# KiCad board ebit_ad.kicad_pcb (continued)
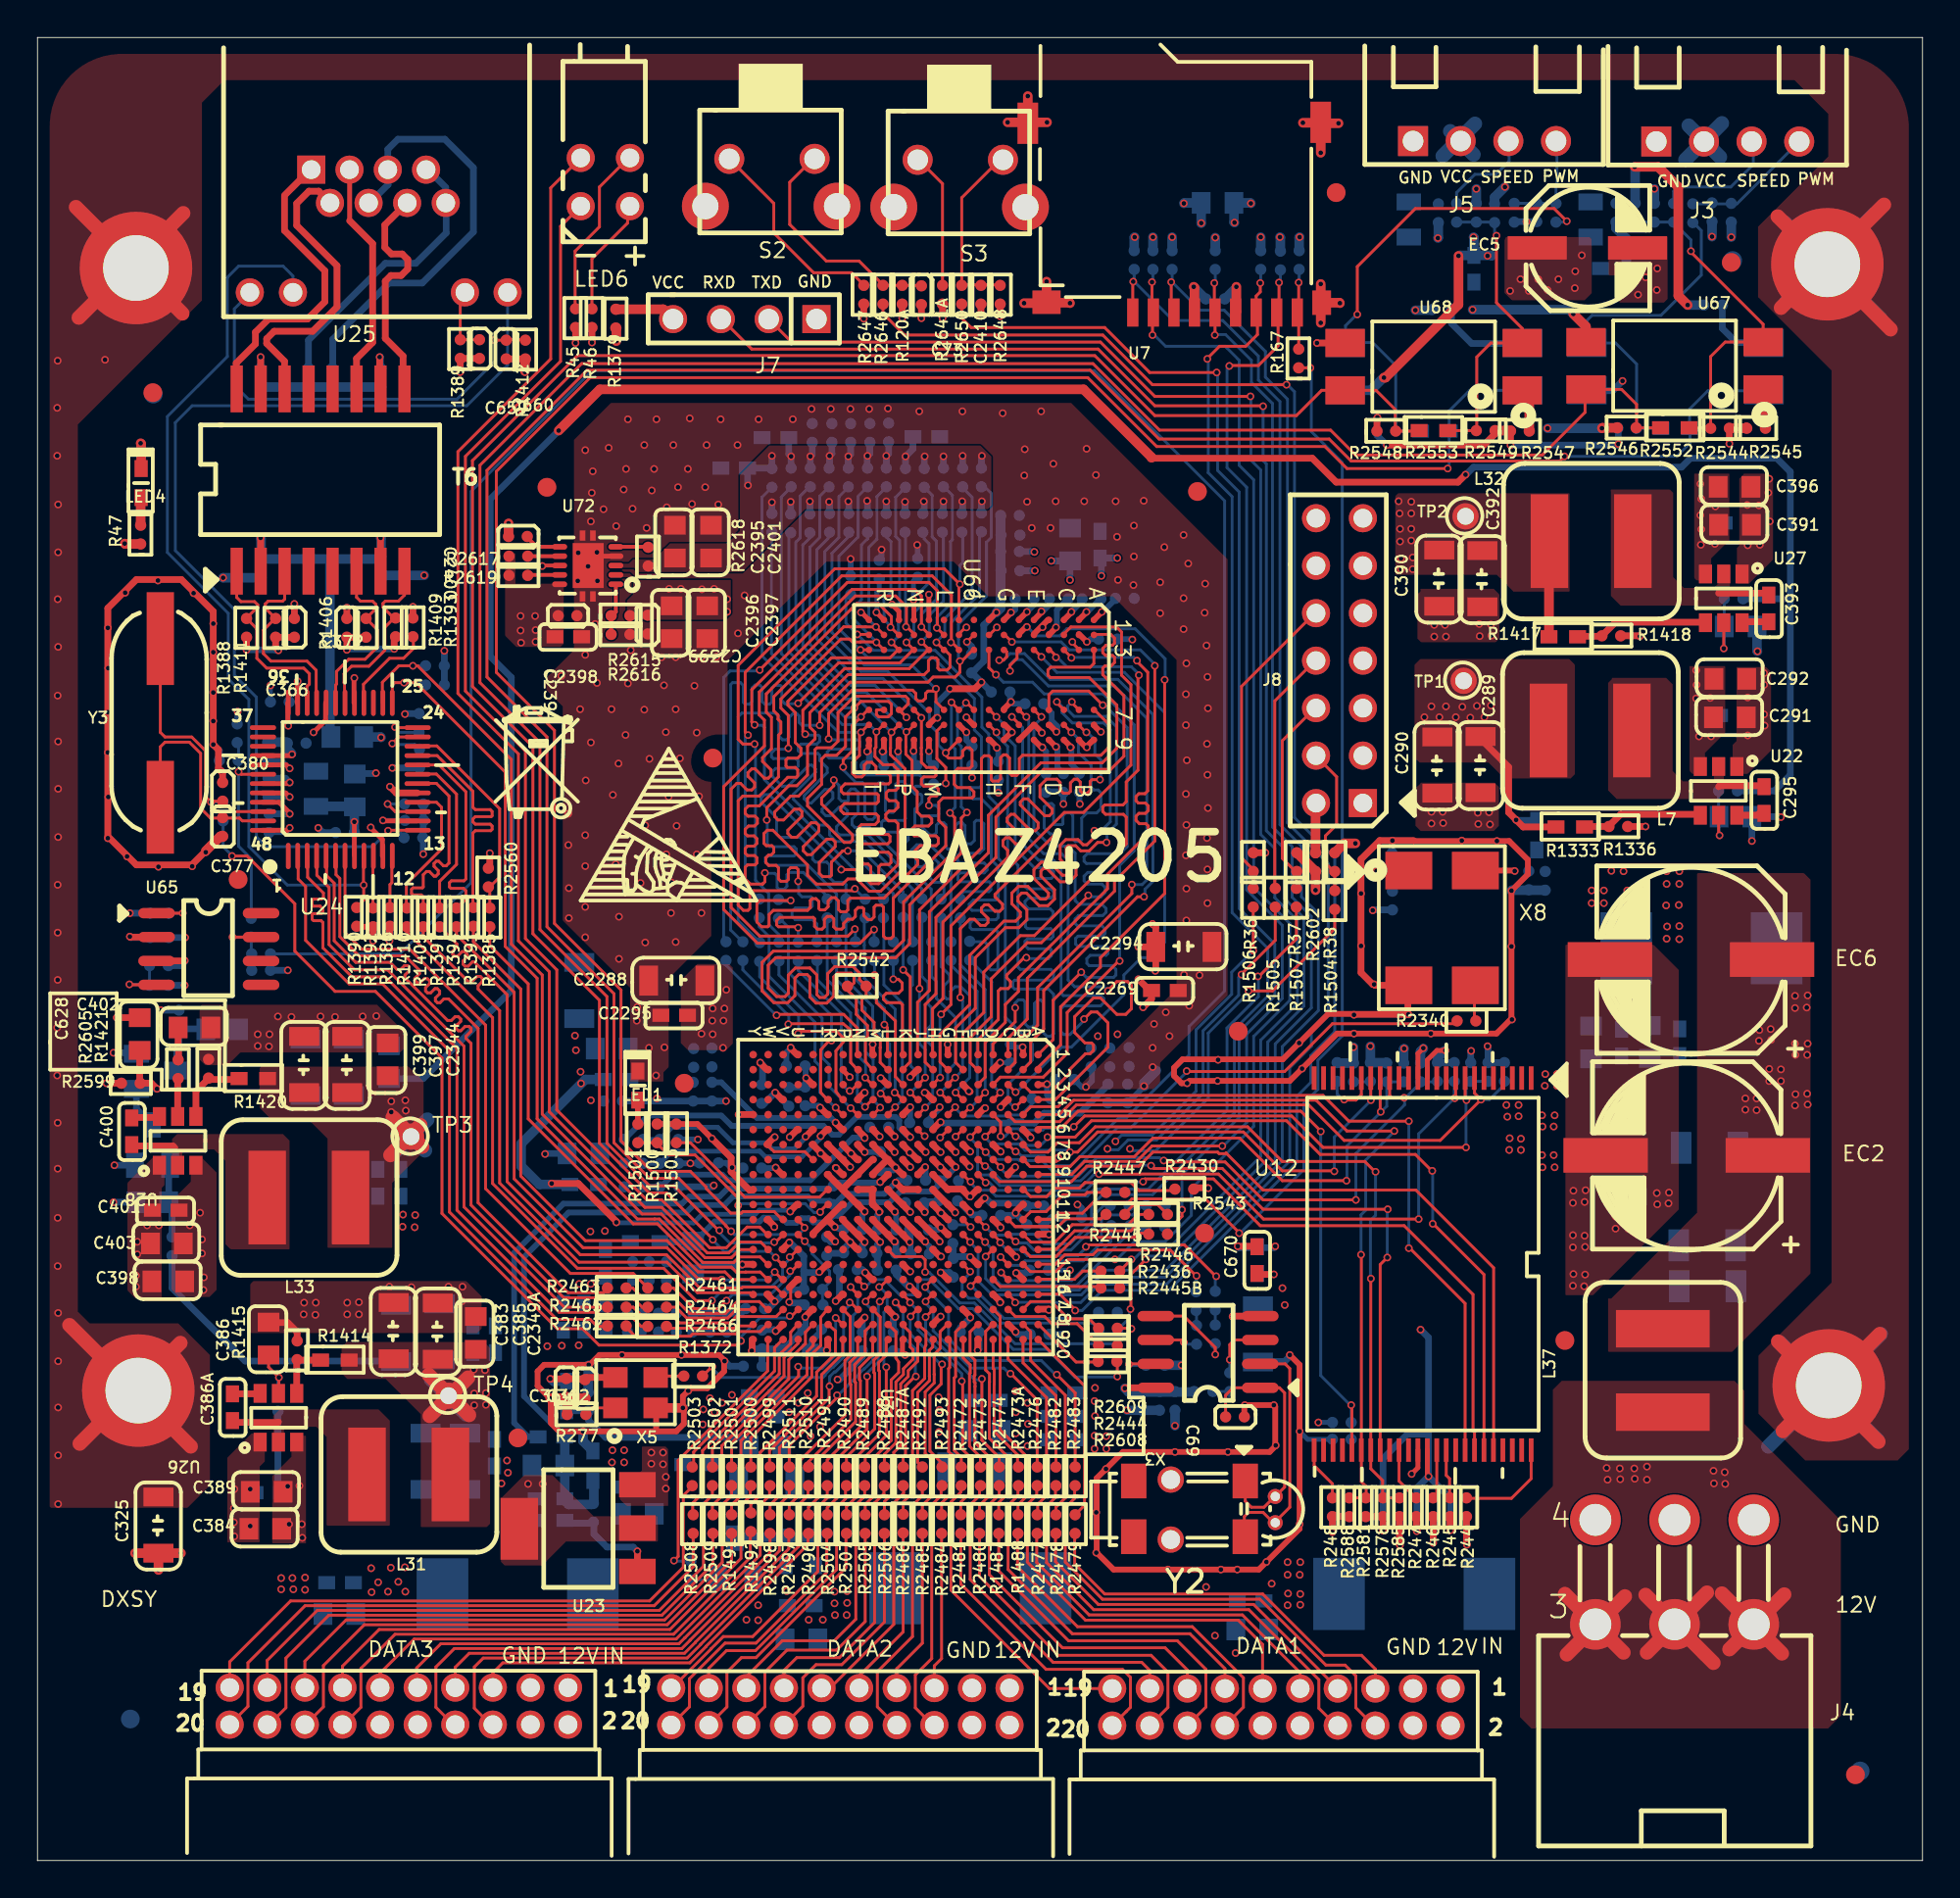
[diagram p0: board, top side]
## Routing (per net, layer and track width the routed paths; a pad name or vN(x,y) marks a point on that pad's centre or on a via; arc(x,y) is an arc through that point) (continued)
  Bottom Layer w0.152: 72.38,38.85 72.33,38.85 70.85,37.38 70.85,34.7 70.6,34.45 v1(70.6,32.33)
U12-IO2_0: length 39.1
  Top Layer w0.152: v1(71.13,31.05) 71.12,31.05 U12.31 71.12,20.91 71.75,20.28 71.75,19.5 ; 72.5,19.33 72.48,19.35 R2578.2 ; v1(71.38,36.75) 71.35,36.75 70.8,37.3 66.4,37.3 64.55,39.15 56.43,39.15 55.58,38.3 54.4,38.3 53.9,37.8 52.98,37.8 52.57,38.21 52.57,38.21
  Bottom Layer w0.152: v1(71.38,36.75) 71.38,34.43 71.1,34.15 71.1,30.88
U12-IO3_0: length 36.5
  Top Layer w0.152: v1(72.03,34.75) 65.38,34.75 63.2,36.93 59.55,36.93 v1(59.4,37.08) ; 50.16,37.41 50.57,37 ; v1(72,32.18) 71.62,31.8 U12.32
  Bottom Layer w0.152: 56.98,37.13 56.5,37.13 55.64,36.27 51.43,36.27 51.06,36.65 51.06,36.66 50.71,37 50.7,37 ; v1(72,32.18) 72,34.73 ; 57,37.1 59.38,37.1
  vias: v1(50.55,37.05)
U12-IO4_0: length 40.4
  Top Layer w0.152: U12.41 76.15,29.72 73.2,32.68 v1(73.15,32.68) ; 52.57,39.81 52.99,40.23 54.45,40.23 55.05,40.83 68.58,40.83 69.95,39.45 v1(73.15,39.45)
  Bottom Layer w0.152: v1(73.15,32.68) 73.15,39.43 73.13,39.45
U12-IO5_0: length 37.8
  Top Layer w0.152: U12.42 76.66,22.85 76.58,22.93 76.58,30.2 72.9,33.88 65.23,33.88 62.73,36.37 59.07,36.37 58.98,36.28 ; 50.58,36.23 50.55,36.23 50.16,36.61
  Bottom Layer w0.152: v1(50.58,36.18) 50.78,36.18 51.19,35.76 55.91,35.76 56.35,36.2 58.85,36.2 58.93,36.28
  vias: v1(58.98,36.23)
U12-IO6_0: length 40.8
  Top Layer w0.152: v1(53.88,38.6) 55.35,38.6 56.23,39.48 66.63,39.48 68.43,37.68 73.5,37.68 74.38,36.8 v1(74.4,36.8) ; U12.43 77.16,31.27 74.45,33.98 v1(74.43,33.98) ; 51.77,39.01 52.18,38.6 v1(52.18,38.64)
  Bottom Layer w0.152: 74.35,36.78 74.43,36.7 v1(74.43,33.98) ; 53.88,38.58 53.88,38.53 53.51,38.16 52.8,38.16 52.35,38.6 52.18,38.6 v1(52.18,38.64)
U12-IO7_0: length 39.5
  Top Layer w0.152: 77.68,22.28 77.68,31.63 73.53,35.78 65.38,35.78 63.4,37.75 63.37,37.72 63.03,37.72 62.95,37.8 59.5,37.8 58.75,37.05 55.98,37.05 55.15,36.23 51.33,36.23 50.97,36.59 50.97,36.61
U31-A15_0: length 10
  Top Layer w0.152: 53.38,31.82 54.3,31.82 54.8,32.33 56.3,32.33 56.55,32.58 60.43,32.58 61.8,31.2 v1(61.83,31.2)
  Bottom Layer w0.152: R2438.2 61.8,31 61.83,31.03
U31-D13_0: length 14.1
  Top Layer w0.152: v1(62.88,31.18) 62.85,31.18 61.18,32.85 55.95,32.85 55.83,32.73 ; 50.97,33.42 51.4,32.98 51.4,32.98
  Bottom Layer w0.152: 62.85,31.1 62.83,31.08 R2439.2 ; 55.9,32.68 55.5,32.28 52.8,32.28 52.48,32.6 51.7,32.6 51.4,32.9 51.4,32.95
  vias: v1(51.35,32.98) v1(55.93,32.75)
U31-L14_0: length 16.6
  Top Layer w0.152: 45.34,32.62 45.73,32.23 47.18,32.23 47.35,32.05 v1(47.35,31.4) 47.38,31.38 ; R2609.2 58.33,28.4 v1(58.35,28.38)
  Bottom Layer w0.152: 58.38,28.33 57.63,27.58 52.15,27.58 49.98,29.75 49.2,29.75 47.58,31.38 47.38,31.38
U31-N16_0: length 18.1
  Top Layer w0.152: R2608.2 57.6,26.6 v1(57.6,25.83) ; 44.15,30.58 44.15,30.6 43.73,31.02
  Bottom Layer w0.152: 57.48,25.8 55.33,25.8 53.85,27.28 52.05,27.28 49.88,29.45 49.13,29.45 47.58,31 47.03,31 46.95,30.93 46.95,30.28 46.85,30.18 46,30.18 45.18,31 44.58,31 44.15,30.58
  vias: v1(44.1,30.63)
U31-TCK_0: length 28.8
  Top Layer w0.152: R37.1 67.15,49.18 65.15,47.18 v1(65.1,47.18) ; 49.75,36.18 49.75,36.22 49.36,36.61
  Bottom Layer w0.152: 65.13,47.08 65.13,46.1 63.45,44.43 63.45,40.03 59.25,35.82 58.81,35.82 58.8,35.83 56.38,35.83 56,35.45 51.13,35.45 50.81,35.77 50.16,35.77 49.75,36.18
  vias: v1(49.78,36.23)
U31-TDI_0: length 27.1
  Top Layer w0.152: v1(48.15,38.58) 48.55,38.98 48.55,39.01 ; v1(64.85,48.55) R1506.1
  MidLayer2 w0.127: v1(48.15,38.58) 48.42,38.58 49.14,39.29 54.51,39.29 55.41,38.39 57.49,38.39 v1(57.5,38.38)
  Bottom Layer w0.152: v1(57.5,38.38) 57.83,38.71 59.46,38.71 61.8,41.05 61.8,44.33 63.7,46.23 63.7,47.4 v1(64.85,48.55)
U31-TDO_0: length 27.3
  Top Layer w0.152: v1(64.23,47.28) 64.23,47.3 66.03,49.1 R1505.1 ; v1(48.98,38.63) 49.36,39.01 49.36,39.01
  MidLayer2 w0.127: v1(48.98,38.63) 48.98,38.65 49.34,39.02 54.36,39.02 55.4,37.98 v1(57.08,37.98)
  Bottom Layer w0.152: 57,37.88 57.03,37.85 57.15,37.98 57.2,37.93 57.65,37.93 58.18,38.45 59.7,38.45 62.18,40.93 62.18,44.28 64.08,46.18 64.08,47.13 v1(64.23,47.28)
U31-TMS_0: length 31.7
  Top Layer w0.152: R1504.1 69.2,49.73 65.88,46.4 v1(64.6,46.4) ; 46.95,39.01 47.38,38.58
  MidLayer2 w0.127: 58.26,37.97 58.26,38.29 57.59,38.97 56.04,38.97 55.46,39.54 48.89,39.54 48.31,38.97 47.66,38.97 47.35,38.65 v1(47.33,38.65)
  Bottom Layer w0.152: 58.28,37.88 59.65,37.88 62.45,40.68 62.45,44.15 64.6,46.3 v1(64.6,46.4)
  vias: v1(58.28,37.98)
U31.W20_0: length 14.7
  Top Layer w0.152: v1(33.95,16) 34.18,16.23 34.18,21.35 38.95,26.13 38.95,27.78 38.91,27.83
  Bottom Layer w0.152: 34.05,15.98 R1481.2
VP1_0: length 32.3
  Top Layer w0.356: v1(44.95,36.2) 45.34,36.59 45.34,36.61
  Bottom Layer w0.305: 44.95,36.15 44.93,36.18 42.58,36.18 42.25,35.85 36.8,35.85 36.38,35.43 34.75,35.43 34.38,35.05 28.05,35.05 25.43,32.43 25.43,23.35 26.18,22.6 C856.2
  vias: v1(26.17,20.1) v1(26.94,20.1)
XOUT.0_0: length 50.2
  Top Layer w0.152: 40.18,29 40.51,29.34 40.51,29.42 ; 10.4,53.6 11.18,53.6 13.73,51.05 13.73,48.53 15.88,46.38 18.03,46.38 21.58,42.83 21.58,34.53 27.73,28.38 29.08,28.38 29.95,27.5 37.3,27.5 v1(37.53,27.73)
  Bottom Layer w0.152: 10.43,53.58 9.9,54.1 R1485.1 ; 40.05,28.95 38.53,28.95 37.53,27.95 v1(37.53,27.73)
  vias: v1(10.38,53.6) v1(40.13,29.05)

## Copper pours and planes (outline as drawn; the poured copper is in the pictures)
GND on Top Layer: 6.15,37.52 4.8,36.17 4.8,30.42 5.2,30.02 6.63,30.02 6.63,35.89 6.77,36.04 6.77,37.52
GND on Top Layer: 92.2,63.68 92.48,63.41 92.48,59.24 91.23,57.99 90.43,57.99 90.43,59.54 90.63,59.74 90.63,63.68
GND on Top Layer: 11.47,22.85 10.12,21.5 10.12,16.97 11.85,16.97 11.85,21.02 12.12,21.3 12.12,22.77 11.47,22.77
GND on Top Layer: 90.95,74.01 92.33,74.01 92.58,73.76 92.58,69.41 91.3,68.13 90.65,68.13 90.65,70.03 90.78,70.16 90.78,73.73 91,73.96
GND on Top Layer: 63.49,69.43 63.49,46.16 59.89,42.57 59.89,41.54 59.51,41.17 55.74,41.17 55.74,41.49 60.76,46.51 60.76,64.06 57.36,67.46 50.71,67.46 48.86,69.31 42.09,69.31 36.82,64.03 36.82,60.09 36.32,60.09 36.19,60.08 35.94,60.04 35.7,59.95 35.48,59.83 35.29,59.66 35.13,59.47 35,59.25 34.91,59.01 34.87,58.76 34.87,58.64 34.87,58.53 34.91,58.32 34.99,58.13 35.11,57.95 35.26,57.8 35.43,57.69 35.63,57.61 35.84,57.56 35.94,57.56 35.94,49.34 33.67,47.06 33.67,42.34 33.39,42.07 33.39,41.57 31.64,41.57 31.62,41.59 31.62,46.56 28.02,50.16 28.02,61.59 27.14,62.46 27.14,63.11 28.62,64.58 28.62,75.81 30.59,77.78 55.14,77.78
GND on Top Layer: 73.73,57.51 77.73,57.51 77.96,57.29 77.96,55.21 77.68,54.94 73.78,54.94 73.51,55.21 73.51,57.21 73.78,57.49
GND on Top Layer: 73.76,67.86 77.68,67.86 77.98,67.56 77.98,65.21 77.78,65.01 73.81,65.01 73.61,65.21 73.61,67.56 73.78,67.73
GND on Top Layer: 11.5,30.92 22.87,30.92 23.7,30.09 23.7,28.39 23.45,28.14 11.35,28.14 11.35,30.74
GND on Top Layer: 8.77,45.66 18.12,45.66 19.55,44.24 19.55,43.32 19.35,43.12 10.82,43.12 10.15,42.44 8.95,42.44 8.65,42.74 8.65,45.59
GND on Bottom Layer: 10.55,45.59 19.65,45.59 19.65,43.47 19.27,43.09 10.57,43.09 10.22,43.44 10.22,45.29 10.5,45.56
GND on Bottom Layer: 38.99,25.29 41.32,25.29 42.07,24.55 42.07,19.75 41.69,19.37 39.24,19.37 38.87,19.75 38.87,25.22
GND on Bottom Layer: 30.37,21.97 31.64,21.97 31.64,17.32 30.54,17.32 30.32,17.55 30.32,21.95
GND on Bottom Layer: 47.66,25.07 50.09,25.07 50.09,20.35 49.71,19.97 47.76,19.97 47.51,20.22 47.51,24.89
GND on Bottom Layer: 31.02,40.14 33.57,40.14 34.02,40.59 34.02,45.14 35.74,46.86 35.74,63.49 37.97,65.71 37.97,72.46 37.04,73.38 37.04,74.83 37.37,75.16 38.02,75.16 39.49,76.63 47.49,76.63 47.49,75.53 50.99,75.53 52.06,74.46 52.06,70.51 57.14,70.51 58.21,69.43 58.21,66.93 60.99,64.16 60.99,46.54 59.06,44.61 59.06,41.87 58.81,41.62 58.81,41.09 59.16,41.09 59.16,41.32 60.96,43.12 60.96,44.69 62.91,46.64 62.91,69.63 54.11,78.43 31.74,78.43 27.14,73.83 27.14,46.71 27.84,46.01 29.89,46.01 30.97,44.94 30.97,40.17
GND on Bottom Layer: 54.91,25.47 56.39,25.47 56.71,25.14 56.71,23.35 54.81,23.35 54.81,25.37
GND on Bottom Layer: 90.68,63.81 92.33,63.81 92.58,63.56 92.58,59.74 92.38,59.54 90.78,59.54 90.5,59.81 90.5,63.59 90.65,63.73
GND on Bottom Layer: 80.63,43.12 88.38,43.12 88.38,36.54 78.61,36.54 78.23,36.92 78.23,40.79 80.53,43.09
GND on Bottom Layer: 16.25,35.97 21.2,35.97 21.57,35.59 21.57,32.54 21,31.97 16.47,31.97 16.12,32.32 16.12,35.92
GND on Bottom Layer: 90.95,73.96 92.53,73.96 92.53,70.03 92.2,69.71 90.93,69.71 90.78,69.86 90.78,73.78
GND on Bottom Layer: 12.42,15.57 15.77,15.57 15.77,12.02 12.17,12.02 11.85,12.35 11.85,15.02 12.37,15.55
GND on Bottom Layer: 14,30.92 24.77,30.92 24.77,28.47 24.5,28.19 13.97,28.19 13.5,28.67 13.5,30.42
GND on Bottom Layer: 38.14,16.17 40.27,16.17 40.27,11.25 40.02,11 37.89,11 37.69,11.2 37.69,15.55 38.19,16.05
GND on Bottom Layer: 30.92,29.24 31.12,29.04 35.24,29.04 35.24,30.24 35.62,30.62 35.62,31.92 34.44,31.92 33.87,31.34 30.87,31.34 30.64,31.57 27.49,31.57 26.79,30.87 26.79,29.44 26.99,29.24
GND on Bottom Layer: 19.72,21.55 25.3,21.55 25.3,18.62 25.05,18.37 19.77,18.37 19.5,18.65 19.5,21.25 19.72,21.47
GND on Bottom Layer: 61.86,15.35 61.86,10.8 62.09,10.57 64.06,10.57 64.36,10.87 64.36,15.4 64.14,15.62 62.21,15.62 61.89,15.3
GND on Bottom Layer: 9.95,20.87 9.95,16.95 11.57,16.95 11.82,17.2 11.82,20.82 11.62,21.02 10.2,21.02 10.02,20.85
GND on MidLayer1: 32.89,94.13 32.89,96.45 69.82,96.45 69.82,94.13
GND on MidLayer1: 33.49,96.45 56.29,94.05 59.24,94.05 64.01,95.65 69.98,96.25 70.03,89.45 81.16,78.31 89.78,78.26 93.2,74.88 93.28,46.79 79.68,33.44 79.81,0.65 4.73,0.68 2,3.45 2.08,17.32 2.43,17.6 8.92,17.65 10.25,19.02 10.25,28.54 9.3,29.49 3.43,29.49 3.08,29.94 2.93,74.81 9.4,81.26 9.42,96.08 9.67,96.45
GND3 on Top Layer: 81.51,48.86 86.2,48.86 87.55,47.51 87.55,34.74 82.98,30.17 81.51,30.17
GND3 on Top Layer: 83.78,86.65 86.95,86.65 86.95,83.33 86.75,83.13 84.38,83.13 84.38,84.48 84.28,84.58 83.81,84.58 83.81,86.63
GND3 on Bottom Layer: 81.43,35.84 88.33,35.84 88.33,28.14 81.63,28.14 81.28,28.49 81.28,35.74
GND3 on Bottom Layer: 84.48,85.75 86.48,85.75 86.75,85.48 86.75,83.48 86.43,83.16 84.58,83.16 84.38,83.35 84.38,85.53 84.51,85.65
GND3 on MidLayer1: 70.36,96.1 70.36,89.68 81.33,78.71 90.05,78.71 93.63,75.13 93.63,46.24 93.28,46.24 80.18,33.14 80.18,0.65 96.08,0.65 96.27,0.65 96.64,0.69 97.02,0.77 97.38,0.89 97.72,1.04 98.05,1.23 98.36,1.46 98.64,1.71 98.9,1.99 99.12,2.3 99.31,2.63 99.46,2.98 99.58,3.34 99.66,3.71 99.7,4.09 99.7,4.28 99.7,93.5 98.43,95.35 97.18,96.18 95.78,96.53
GNDA on Top Layer: 0.73,18.82 8,18.82 9.2,20.02 9.2,26.97 7.5,28.67 2.78,28.67 2.15,29.29 2.15,76.63 8.77,83.25 8.77,93.8 9.97,95 93.73,95 95.53,93.2 95.53,90.93 91.78,87.18 91.78,83.43 95.7,79.51 95.7,30.84 91.8,26.94 91.8,23.85 94.3,21.35 99.23,21.35 99.83,21.95 99.83,92.45 99.82,92.65 99.79,93.03 99.71,93.41 99.6,93.78 99.45,94.14 99.27,94.48 99.05,94.81 98.81,95.11 98.53,95.38 98.23,95.63 97.91,95.84 97.57,96.02 97.21,96.17 96.84,96.29 96.46,96.36 96.07,96.4 95.88,96.4 4.5,96.4 4.3,96.4 3.9,96.36 3.5,96.27 3.12,96.15 2.75,95.98 2.4,95.78 2.08,95.55 1.78,95.28 1.51,94.98 1.27,94.65 1.07,94.3 0.9,93.93 0.78,93.55 0.7,93.16 0.65,92.75 0.65,92.55 0.65,18.87
GNDA on Bottom Layer: 99.53,21.32 99.85,21.65 99.85,88 98.53,89.33 93.45,89.33 91.8,87.68 91.8,83.4 95.8,79.41 95.8,39.59 95.1,38.89 89.83,38.89 89.43,38.49 89.43,23.12 91.23,21.32
GNDA on MidLayer1: 8.72,81.93 2.13,75.33 2.13,29.44 2.78,28.79 8.62,28.79 9.17,28.24 9.17,19.25 8.77,18.85 0.65,18.85 0.65,93.38 1.78,95.1 3.73,96.05 7.17,96.43 8.62,96.4 8.72,95.88
GNDA on MidLayer2: 93.98,29.17 99.4,29.17 99.4,4.1 96.15,0.85 3.8,0.85 1.9,1.9 0.68,3.98 0.65,89.83 1.98,94 4.03,95.7 6.28,96.2 8.67,96.18 8.6,82.88 2,76.38 2.03,29.29 2.88,28.42 6.58,28.44 8.47,26.59 8.3,5.27 8.85,4.78 93.93,4.95 96.03,7.07 96.03,19.67 91.8,23.95 91.75,27.09
VCC on Top Layer: 24.95,65.36 25.55,64.76 27.89,64.76 28.07,64.93 28.07,68.13 25.5,68.13 25.5,69.76 24.95,69.76
VCC on Top Layer: 73.73,64.11 81.71,64.11 82.01,63.81 82.01,57.96 81.78,57.74 78.26,57.74 77.41,58.59 73.73,58.59 73.46,58.86 73.46,63.81 73.73,64.08
VCC on Top Layer: 32.22,22.1 33.49,22.1 33.64,21.95 33.64,18.92 31.42,18.92 31.07,19.27 31.07,20.55 31.97,20.55 32.24,20.82 32.24,22.05
VCC on Bottom Layer: 28.04,45.41 29.59,45.41 30.47,44.54 30.47,40.07 28.39,40.07 28.04,40.42
VCC on Bottom Layer: 54.79,22.87 54.79,21.7 54.94,21.55 57.01,21.55 57.21,21.75 57.21,22.87
VCC on Bottom Layer: 32.32,22 34.62,22 34.62,17.6 34.32,17.3 32.14,17.3 32.14,21.77 32.27,21.9
VCC on Bottom Layer: 64.51,31.79 66.28,31.79 66.71,31.37 66.71,28.69 66.43,28.42 64.56,28.42 64.39,28.59 64.39,31.62
VCC on MidLayer2: 75.11,61.96 75.11,63.86 77.19,63.86 77.19,61.96
VCC on MidLayer2: 9.8,96.03 92.9,96.38 96.33,95.8 98.55,94.53 99.53,92.95 99.53,91.58 99.13,90.15 79.81,90.1 77.61,87.98 77.61,80.23 80.78,77.13 80.76,49.79 79.01,48.19 79.11,31.94 63.64,16.52 19.1,16.45 13.05,22.45 13.05,31.27 7.52,36.77 7.55,45.56 7.05,46.01 2.93,46.06 2.98,76.11 9.57,82.88 9.57,96 9.82,96.03
VCC1 on Top Layer: 31.82,68.98 32.04,68.76 37.59,68.76 40.94,72.11 50.69,72.11 50.89,72.31 50.89,74.91 50.29,75.51 39.04,75.51 37.47,73.93 37.47,70.96 36.79,70.28 33.74,70.28 32.89,69.43 31.77,69.43 31.54,69.21 30.47,69.21 30.47,68.98
VCC8 on Top Layer: 78.26,86.45 78.26,83.65 78.66,83.25 82.53,83.25 82.91,83.63 82.91,86.5 82.78,86.63 78.33,86.63
VCC8 on Top Layer: 83.78,29.99 83.78,27.14 90.4,27.14 94.58,31.32 94.58,52.34 94.23,52.69 88.53,52.69 88.53,34.57 83.96,29.99
VCC8 on Bottom Layer: 89.5,52.46 94.83,52.46 94.83,39.74 89.38,39.74 89.38,52.44
VCC8 on Bottom Layer: 72.01,87.13 72.01,85.28 73.86,83.43 83.63,83.43 83.63,86.73 83.23,87.13 82.26,87.13 79.96,84.83 75.13,84.83 73.98,85.98 73.98,87.13
VCC8 on MidLayer2: 80.08,89.7 99.43,89.7 99.43,38.22 98.18,36.97 90.93,36.97 90.65,37.24 90.65,43.77 93.78,46.89 93.78,74.26 92.63,75.41 83.31,75.41 78.41,80.31 78.41,88.08 80.01,89.68
VCC-DATA1 on Bottom Layer: 72.46,16.22 78.41,16.22 78.63,16 78.63,6.05 74.48,6.05 74.48,10.25 72.36,12.37 72.36,16.15
VCC-DATA2 on Bottom Layer: 51.39,16.95 54.99,16.95 55.49,16.45 55.49,6.12 55.29,5.92 51.11,5.92 50.84,6.2 50.84,16.37 51.39,16.92
VCC-DATA3 on Bottom Layer: 27.97,16 31.27,16 31.99,15.27 31.99,6.15 31.82,5.97 27.47,5.97 27.47,15.72 27.99,15.72
VCC-DDR on Top Layer: 34.29,46.94 35.19,47.84 36.89,47.84 37.09,47.64 37.09,43.59 36.74,43.24 34.69,43.24 34.32,43.62 34.32,46.94
VCC-DDR on Top Layer: 72.58,72.96 81.73,72.96 81.73,67.71 78.73,67.71 77.83,68.61 72.43,68.61 72.43,72.81
VCC-DDR on Top Layer: 30.52,68.68 31.59,68.68 31.94,68.33 36.99,68.33 36.99,66.56 36.64,66.21 31.44,66.21 31.44,67.23 31.77,67.56 31.77,68.31 31.59,68.48 30.52,68.48
VCC-DDR on Bottom Layer: 56.61,44.29 58.54,44.29 58.54,43.34 58.26,43.07 55.99,43.07 55.99,43.57 56.64,44.21
VCC-DDR on Bottom Layer: 34.67,43.12 37.19,43.12 37.19,46.31 36.89,46.61 36.39,46.61 34.69,44.91 34.69,43.14
VCC-DDR on MidLayer2: 70.83,76.23 73.58,73.48 73.58,65.03 62.99,54.44 62.99,46.94 55.84,39.79 33.17,39.79 32.62,40.34 32.62,75.38 33.29,76.23
VCCA on Top Layer: 11.95,42.37 19.8,42.37 20.6,41.57 20.6,37.84 18.92,36.17 18.92,32.69 15.47,32.69 15.47,38.52 14.37,39.62 12.4,39.62 11.85,40.17 11.85,42.29
VCCA on Bottom Layer: 14.05,42.37 20.77,42.37 21.2,41.94 21.2,37.89 19.75,36.44 14.4,36.44 13.45,37.39 13.45,41.84 13.95,42.34
VCCA on Bottom Layer: 29.14,33.69 29.14,32.09 30.89,32.09 31.27,31.72 33.62,31.72 33.62,32.19 32.32,32.19 32.12,32.39 32.12,33.44 30.67,33.44 30.27,33.84 29.37,33.84 29.17,33.64
VCCA on MidLayer2: 18.9,41.44 20.35,41.44 20.75,41.04 20.75,40.22 26.22,34.74 36.24,34.74 37.72,36.22 45.27,36.22 46.09,37.04 49.64,37.04 49.64,36.64 47.44,34.44 43.97,34.44 43.62,34.79 38.82,34.79 35.82,31.79 25.15,31.79 18.52,38.42 18.52,40.97 18.9,41.34
VCCB on Bottom Layer: 29.47,38.69 31.64,38.69 31.64,35.74 29.29,35.74 29.29,38.49 29.44,38.64
VCCE on Bottom Layer: 38.34,25.02 38.34,19.27 38.17,19.1 35.39,19.1 35.14,19.35 35.14,24.35 35.82,25.02
VCCE on MidLayer2: 35.42,21.55 44.37,21.55 44.37,29.12 43.42,30.07 39.17,30.07 34.94,25.84 34.94,22.1
VCCO on Bottom Layer: 51.01,25.29 54.11,25.29 54.31,25.09 54.31,20.25 54.06,20 50.96,20 50.74,20.22 50.74,25.02
VCCO on MidLayer2: 44.87,21.62 53.84,21.62 54.31,22.1 54.31,26.79 52.16,28.94 50.46,28.94 48.79,30.62 48.79,32.09 48.61,32.27 47.84,32.27 47.21,31.64 43.77,31.64 43.77,30.34 44.79,29.32 44.79,21.65
VCCP on Top Layer: 16.45,27.67 23.82,27.67 24.15,27.34 24.15,17.97 23.97,17.8 20.45,17.8 20.45,23.82 18.57,25.69 16.52,25.69 16.22,25.99 16.22,27.39 16.45,27.62
VCCP on Bottom Layer: 26.89,28.49 26.89,27.09 29.29,27.09 29.97,27.77 36.97,27.77 37.07,27.87 37.07,28.37 31.02,28.37 30.77,28.62 26.82,28.62
VCCP on Bottom Layer: 18.52,27.59 24.75,27.59 24.75,22.17 24.6,22.02 19.75,22.02 18.07,23.7 18.07,27.22 18.47,27.62
VCCP on MidLayer2: 34.44,23.32 34.44,25.99 38.92,30.47 43.47,30.47 43.47,31.92 43.59,32.04 46.94,32.04 47.66,32.77 49.39,32.77 51.64,35.02 51.64,36.79 50.94,37.49 50.94,38.34 46.09,38.34 45.89,38.14 36.22,38.14 35.22,37.14 28.69,37.14 28.69,37.49 22.57,43.62 17.92,43.62 16.3,41.99 16.3,34.92 20.87,30.34 20.87,23.82 21.25,23.32
IN on Top Layer: 7.15,35.34 7.15,30.47 7.55,30.07 9.17,30.07 9.55,30.44 9.55,36.72 8.77,37.49 8.17,37.49 8.17,36.22 7.27,35.32
IN on Top Layer: 88.35,74.01 90.25,74.01 90.25,70.46 89.28,69.48 89.28,68.31 88.5,68.31 88.38,68.43 88.38,73.98
IN on Top Layer: 13.57,22.67 14.32,22.67 14.32,16.92 12.52,16.92 12.52,20.52 13.55,21.55 13.55,22.7
IN on Top Layer: 88.1,63.73 90.03,63.73 90.03,60.19 88.95,59.11 88.95,57.99 88.28,57.99 88.13,58.14 88.13,63.64
IN on Bottom Layer: 12.57,21.2 14.22,21.2 14.22,16.9 12.5,16.9 12.5,21.1
IN on Bottom Layer: 16.75,16.25 23.35,16.25 23.7,15.9 23.7,12.3 23.25,11.85 16.5,11.85 16.25,12.1 16.25,15.72 16.72,16.2
IN on Bottom Layer: 64.89,14.55 64.89,11.8 65.19,11.5 70.68,11.5 71.08,11.9 71.08,15.57 70.73,15.92 66.38,15.92 64.96,14.5
IN on Bottom Layer: 88.38,73.88 90.2,73.88 90.2,68.93 88.63,68.93 88.25,69.31 88.25,73.66 88.38,73.78
IN on Bottom Layer: 88.38,63.83 89.83,63.83 90.05,63.61 90.05,58.01 88.48,58.01 88.2,58.29 88.2,63.64 88.35,63.78
IN on Bottom Layer: 82.18,43.82 88.63,43.82 88.63,52.81 88.35,53.09 83.68,53.09 81.98,51.39 81.98,44.07 82.21,43.84
IN on Bottom Layer: 40.94,16.12 40.94,11.15 41.27,10.82 46.54,10.82 47.54,11.82 47.54,15.82 47.09,16.27 41.12,16.27
IN on MidLayer2: 81.21,74.23 92.73,74.23 93.1,73.86 93.1,47.19 90.03,44.12 90.03,29.27 78.36,17.6 78.36,12.45 76.43,10.52 9.25,10.52 9.25,27.39 7.22,29.42 4.08,29.42 3,30.49 3,45.54 7.05,45.54 7.05,36.49 12.65,30.89 12.65,21.9 18.5,16.05 63.99,16.05 79.56,31.62 79.56,47.89 81.21,49.54
NetJ3_2 on Bottom Layer: 84.41,88.08 84.41,92.95 84.68,93.23 87.25,93.23 87.55,92.93 87.55,90.33 89.73,90.33 90.08,90.68 90.08,94.7 89.03,95.75 83.08,95.75 82.16,94.83 82.16,88.08
NetJ5_2 on Bottom Layer: 70.56,95.23 76.36,95.23 77.01,94.58 77.01,90.93 76.56,90.48 74.98,90.48 74.68,90.78 74.68,92.75 74.26,93.18 72.21,93.18 71.86,92.83 71.86,90.3 72.26,89.9 74.58,89.9 75.01,89.48 75.01,87.93 71.41,87.93 70.21,89.13 70.21,94.75 70.53,95.08
NetL37_1 on Top Layer: 81.33,25.59 90.53,25.59 91.05,25.07 91.05,23.3 96.2,18.15 96.2,7.72 95.53,7.05 79.68,7.05 79.08,7.65 79.08,18.22 80.83,19.97 80.83,25.12 81.33,25.62
NetL37_1 on MidLayer2: 79.61,6.97 94.3,6.97 94.98,7.65 94.98,19.55 92.4,22.12 84.28,22.12 78.98,16.82 78.98,7.7 79.68,7
NetU22_2 on Top Layer: 83.98,63.11 86.88,63.11 87.23,62.76 87.23,58.14 87.78,57.59 89.43,57.59 89.43,58.81 89.95,58.81 89.95,56.96 89.63,56.64 84.26,56.64 83.78,57.11 83.78,62.84 83.98,63.04
NetU26_2 on Top Layer: 12.57,21.97 13.15,21.97 13.15,23.15 14.87,23.15 15.42,22.6 15.42,17.87 18.8,17.87 18.8,23.47 18.2,24.07 12.92,24.07 12.57,23.72
NetU27_2 on Top Layer: 83.91,73.16 87.08,73.16 87.25,72.98 87.25,68.48 87.83,67.91 89.43,67.91 89.7,68.18 89.7,69.11 90.28,69.11 90.28,67.43 89.8,66.96 84.46,66.96 83.93,67.48 83.93,73.03
NetU28_2 on Top Layer: 10.3,32.62 13.45,32.62 13.45,38.42 13.1,38.77 7.45,38.77 7.17,38.49 7.17,36.69 7.72,36.69 7.72,37.94 9.42,37.94 10.02,37.34 10.02,32.89
NetU31_H6 on Bottom Layer: 56.84,42.64 58.39,42.64 58.39,41.34 58.24,41.19 56.79,41.19 56.79,42.57
NetU31_P6 on Bottom Layer: 34.39,42.57 34.39,41.52 34.67,41.24 36.54,41.24 36.54,42.47 36.42,42.59 34.42,42.59
NetX8_4 on Bottom Layer: 78.58,54.39 80.81,54.39 80.81,52.66 80.61,52.46 78.56,52.46 78.56,54.36
REGOUT.0 on Bottom Layer: 15.95,60.76 16.15,60.56 16.15,59.29 15.42,58.56 15.42,57.54 14.07,57.54 14.07,60.39 14.45,60.76
VP1_0 on Top Layer: 27.49,20.55 29.67,18.37 33.09,18.37 33.09,17.02 28.19,17.02 26.92,15.75 24.92,15.75 24.72,15.95 24.72,19.32 25.97,20.57 27.52,20.57
VP1_0 on Bottom Layer: 26.05,23.05 27.04,23.05 27.04,17.62 25.77,17.62 25.77,22.72 26.02,22.97

Small or netless copper shapes (teardrops, artwork), in the pictures only: 2 on MidLayer2

## Text on the board
B.Silkscreen: CODE | LABEL | MY | b | p
F.Silkscreen: VCC | RXD | TXD | GND | SPEED | PWM | DXSY | 12V | IN | E | B | A | Z | 4 | 2 | 0 | 5
